# KiCad board main_panel.kicad_pcb
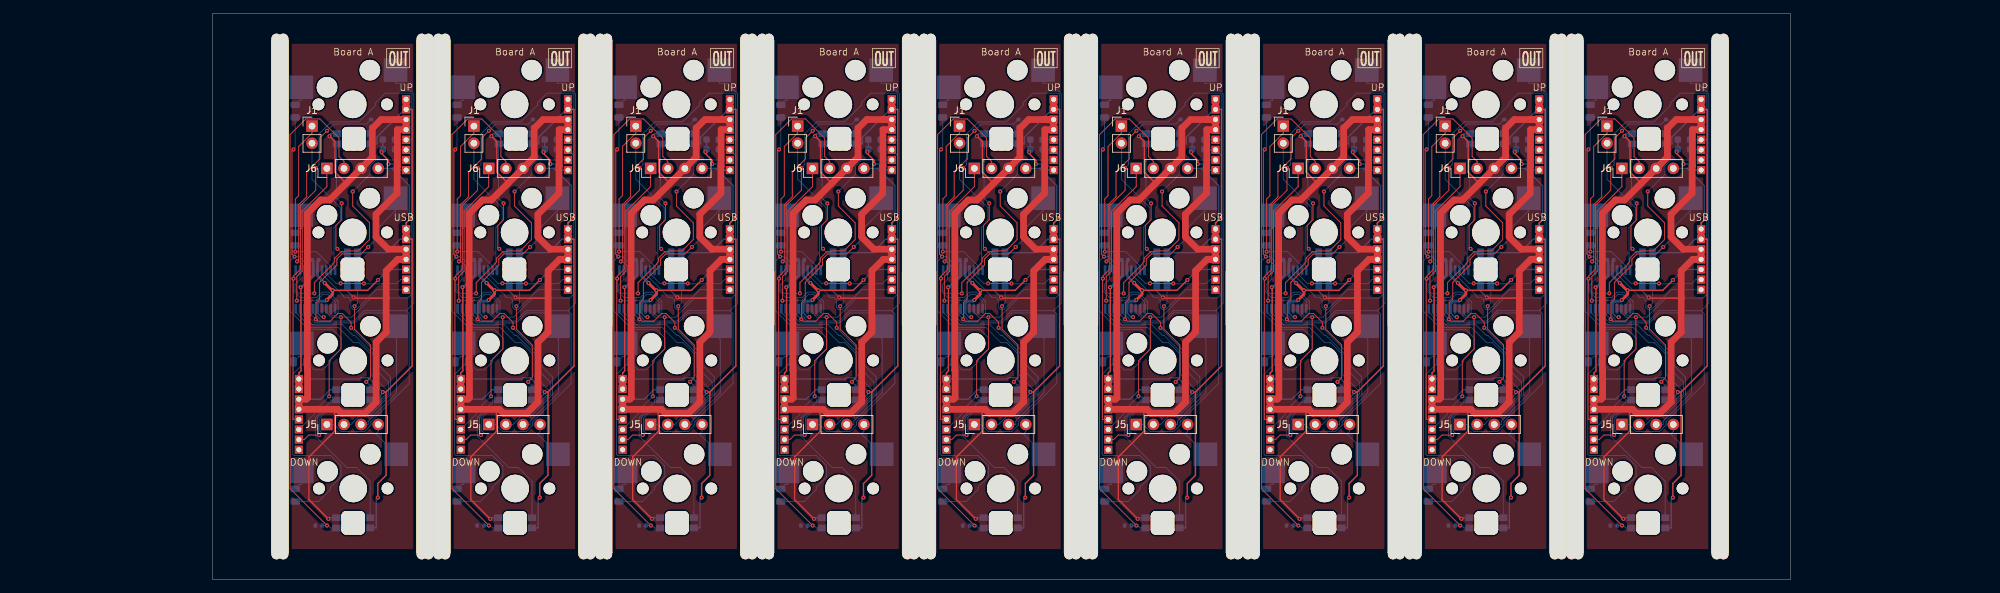
[diagram p0: board, top side]
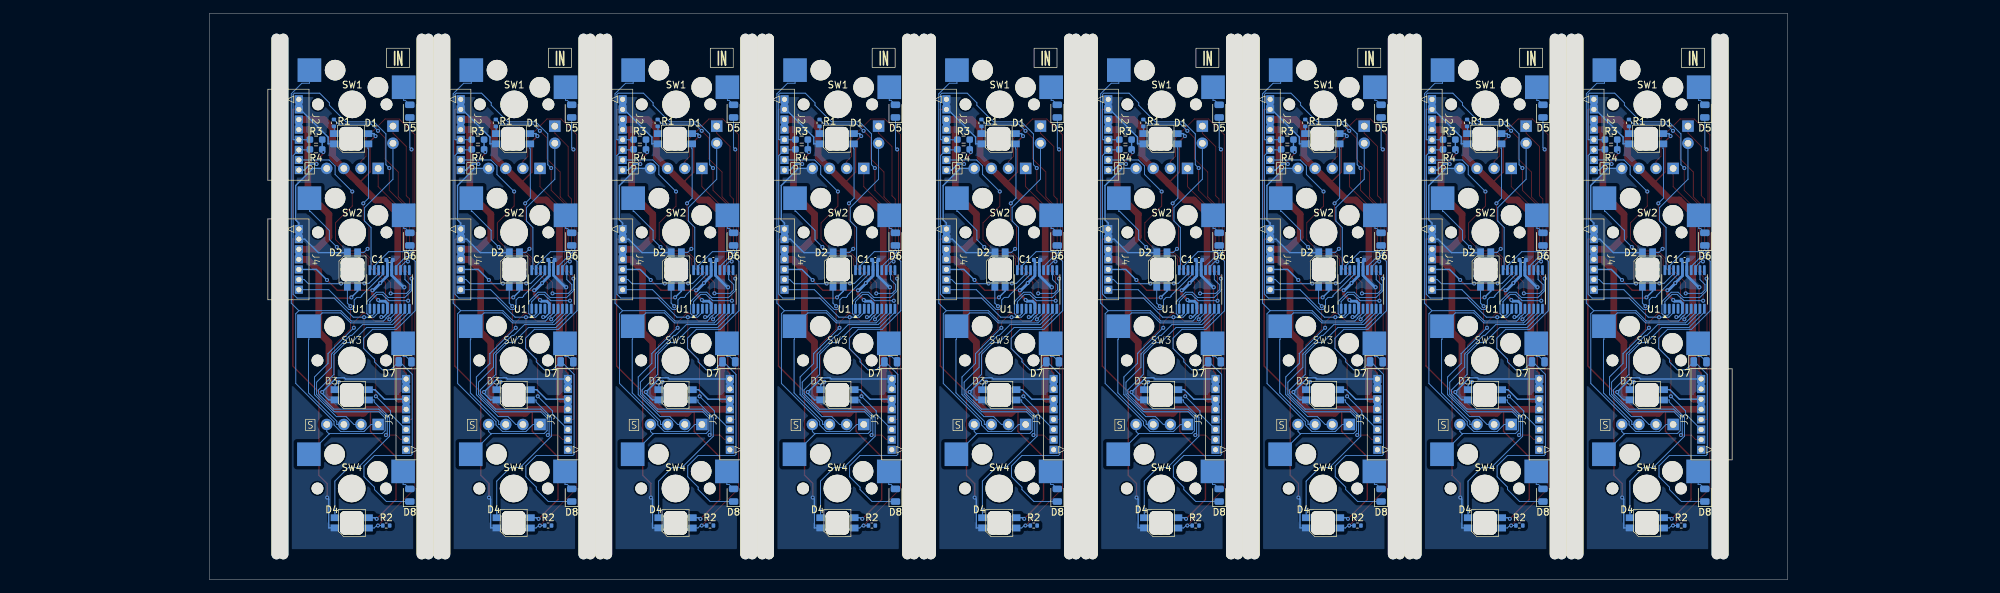
[diagram p1: board, bottom side, seen from below]

Outline 234 x 84 mm; copper layers: Top, In1.Cu, In2.Cu, Bottom. Coordinates in mm from the lower left corner of the outline.
Outline path: 0,84 0,0 234,0 234,84 0,84
Stack: Top 0.035mm / dielectric 0.1mm FR4 er 4.5 / In1.Cu 0.035mm / dielectric 1.24mm FR4 er 4.5 / In2.Cu 0.035mm / dielectric 0.1mm FR4 er 4.5 / Bottom 0.035mm

## Placement (name value [footprint] x y rotation side)
C1  0.1u  [C_0402_1005Metric]  207.26 47.43 180 bottom
C1#2  0.1u  [C_0402_1005Metric]  183.26 47.43 180 bottom
C1#3  0.1u  [C_0402_1005Metric]  135.26 47.43 180 bottom
C1#4  0.1u  [C_0402_1005Metric]  159.26 47.43 180 bottom
C1#5  0.1u  [C_0402_1005Metric]  87.26 47.43 180 bottom
C1#6  0.1u  [C_0402_1005Metric]  63.26 47.43 180 bottom
C1#7  0.1u  [C_0402_1005Metric]  15.26 47.43 180 bottom
C1#8  0.1u  [C_0402_1005Metric]  111.26 47.43 180 bottom
C1#9  0.1u  [C_0402_1005Metric]  39.26 47.43 180 bottom
CUT1  -  [CUT]  130 42 0 top
CUT1#2  -  [CUT]  82 42 0 top
CUT1#3  -  [CUT]  34 42 0 top
CUT1#4  -  [CUT]  106 42 0 top
CUT1#5  -  [CUT]  178 42 0 top
CUT1#6  -  [CUT]  154 42 0 top
CUT1#7  -  [CUT]  10 42 0 top
CUT1#8  -  [CUT]  58 42 0 top
CUT1#9  -  [CUT]  202 42 0 top
CUT2  -  [CUT]  55.52 42 0 top
CUT2#2  -  [CUT]  223.52 42 0 top
CUT2#3  -  [CUT]  79.52 42 0 top
CUT2#4  -  [CUT]  199.52 42 0 top
CUT2#5  -  [CUT]  103.52 42 0 top
CUT2#6  -  [CUT]  175.52 42 0 top
CUT2#7  -  [CUT]  127.52 42 0 top
CUT2#8  -  [CUT]  31.52 42 0 top
CUT2#9  -  [CUT]  151.52 42 0 top
D1  SK6812MINIe  [SK6812MINIe (Reverse)]  188.96 65.41 180 bottom
D1#2  SK6812MINIe  [SK6812MINIe (Reverse)]  68.96 65.41 180 bottom
D1#3  SK6812MINIe  [SK6812MINIe (Reverse)]  92.96 65.41 180 bottom
D1#4  SK6812MINIe  [SK6812MINIe (Reverse)]  164.96 65.41 180 bottom
D1#5  SK6812MINIe  [SK6812MINIe (Reverse)]  140.96 65.41 180 bottom
D1#6  SK6812MINIe  [SK6812MINIe (Reverse)]  44.96 65.41 180 bottom
D1#7  SK6812MINIe  [SK6812MINIe (Reverse)]  116.96 65.41 180 bottom
D1#8  SK6812MINIe  [SK6812MINIe (Reverse)]  212.96 65.41 180 bottom
D1#9  SK6812MINIe  [SK6812MINIe (Reverse)]  20.96 65.41 180 bottom
D2  SK6812MINIe  [SK6812MINIe (Reverse)]  212.76 46.01 270 bottom
D2#2  SK6812MINIe  [SK6812MINIe (Reverse)]  20.76 46.01 270 bottom
D2#3  SK6812MINIe  [SK6812MINIe (Reverse)]  92.76 46.01 270 bottom
D2#4  SK6812MINIe  [SK6812MINIe (Reverse)]  44.76 46.01 270 bottom
D2#5  SK6812MINIe  [SK6812MINIe (Reverse)]  140.76 46.01 270 bottom
D2#6  SK6812MINIe  [SK6812MINIe (Reverse)]  164.76 46.01 270 bottom
D2#7  SK6812MINIe  [SK6812MINIe (Reverse)]  116.76 46.01 270 bottom
D2#8  SK6812MINIe  [SK6812MINIe (Reverse)]  188.76 46.01 270 bottom
D2#9  SK6812MINIe  [SK6812MINIe (Reverse)]  68.76 46.01 270 bottom
D3  SK6812MINIe  [SK6812MINIe (Reverse)]  188.86 27.41 180 bottom
D3#2  SK6812MINIe  [SK6812MINIe (Reverse)]  68.86 27.41 180 bottom
D3#3  SK6812MINIe  [SK6812MINIe (Reverse)]  164.86 27.41 180 bottom
D3#4  SK6812MINIe  [SK6812MINIe (Reverse)]  92.86 27.41 180 bottom
D3#5  SK6812MINIe  [SK6812MINIe (Reverse)]  44.86 27.41 180 bottom
D3#6  SK6812MINIe  [SK6812MINIe (Reverse)]  20.86 27.41 180 bottom
D3#7  SK6812MINIe  [SK6812MINIe (Reverse)]  140.86 27.41 180 bottom
D3#8  SK6812MINIe  [SK6812MINIe (Reverse)]  212.86 27.41 180 bottom
D3#9  SK6812MINIe  [SK6812MINIe (Reverse)]  116.86 27.41 180 bottom
D4  SK6812MINIe  [SK6812MINIe (Reverse)]  92.86 8.41 180 bottom
D4#2  SK6812MINIe  [SK6812MINIe (Reverse)]  212.86 8.41 180 bottom
D4#3  SK6812MINIe  [SK6812MINIe (Reverse)]  68.86 8.41 180 bottom
D4#4  SK6812MINIe  [SK6812MINIe (Reverse)]  116.86 8.41 180 bottom
D4#5  SK6812MINIe  [SK6812MINIe (Reverse)]  140.86 8.41 180 bottom
D4#6  SK6812MINIe  [SK6812MINIe (Reverse)]  20.86 8.41 180 bottom
D4#7  SK6812MINIe  [SK6812MINIe (Reverse)]  44.86 8.41 180 bottom
D4#8  SK6812MINIe  [SK6812MINIe (Reverse)]  164.86 8.41 180 bottom
D4#9  SK6812MINIe  [SK6812MINIe (Reverse)]  188.86 8.41 180 bottom
D5  D  [D_0805_2012Metric]  36.26 69.51 90 bottom
D5#2  D  [D_0805_2012Metric]  156.26 69.51 90 bottom
D5#3  D  [D_0805_2012Metric]  180.26 69.51 90 bottom
D5#4  D  [D_0805_2012Metric]  60.26 69.51 90 bottom
D5#5  D  [D_0805_2012Metric]  108.26 69.51 90 bottom
D5#6  D  [D_0805_2012Metric]  204.26 69.51 90 bottom
D5#7  D  [D_0805_2012Metric]  132.26 69.51 90 bottom
D5#8  D  [D_0805_2012Metric]  84.26 69.51 90 bottom
D5#9  D  [D_0805_2012Metric]  12.26 69.51 90 bottom
D6  D  [D_0805_2012Metric]  156.26 50.51 90 bottom
D6#2  D  [D_0805_2012Metric]  180.26 50.51 90 bottom
D6#3  D  [D_0805_2012Metric]  204.26 50.51 90 bottom
D6#4  D  [D_0805_2012Metric]  12.26 50.51 90 bottom
D6#5  D  [D_0805_2012Metric]  132.26 50.51 90 bottom
D6#6  D  [D_0805_2012Metric]  60.26 50.51 90 bottom
D6#7  D  [D_0805_2012Metric]  36.26 50.51 90 bottom
D6#8  D  [D_0805_2012Metric]  84.26 50.51 90 bottom
D6#9  D  [D_0805_2012Metric]  108.26 50.51 90 bottom
D7  D  [D_0805_2012Metric]  180.96 32.31 180 bottom
D7#2  D  [D_0805_2012Metric]  12.96 32.31 180 bottom
D7#3  D  [D_0805_2012Metric]  84.96 32.31 180 bottom
D7#4  D  [D_0805_2012Metric]  60.96 32.31 180 bottom
D7#5  D  [D_0805_2012Metric]  204.96 32.31 180 bottom
D7#6  D  [D_0805_2012Metric]  156.96 32.31 180 bottom
D7#7  D  [D_0805_2012Metric]  132.96 32.31 180 bottom
D7#8  D  [D_0805_2012Metric]  108.96 32.31 180 bottom
D7#9  D  [D_0805_2012Metric]  36.96 32.31 180 bottom
D8  D  [D_0805_2012Metric]  204.26 12.51 90 bottom
D8#2  D  [D_0805_2012Metric]  108.26 12.51 90 bottom
D8#3  D  [D_0805_2012Metric]  84.26 12.51 90 bottom
D8#4  D  [D_0805_2012Metric]  12.26 12.51 90 bottom
D8#5  D  [D_0805_2012Metric]  180.26 12.51 90 bottom
D8#6  D  [D_0805_2012Metric]  36.26 12.51 90 bottom
D8#7  D  [D_0805_2012Metric]  60.26 12.51 90 bottom
D8#8  D  [D_0805_2012Metric]  132.26 12.51 90 bottom
D8#9  D  [D_0805_2012Metric]  156.26 12.51 90 bottom
J1  Conn_SWD  [PinHeader_1x02_P2.54mm_Vertical]  38.76 67.28 0 top  (not fitted)
J1#2  Conn_SWD  [PinHeader_1x02_P2.54mm_Vertical]  158.76 67.28 0 top  (not fitted)
J1#3  Conn_SWD  [PinHeader_1x02_P2.54mm_Vertical]  14.76 67.28 0 top  (not fitted)
J1#4  Conn_SWD  [PinHeader_1x02_P2.54mm_Vertical]  182.76 67.28 0 top  (not fitted)
J1#5  Conn_SWD  [PinHeader_1x02_P2.54mm_Vertical]  86.76 67.28 0 top  (not fitted)
J1#6  Conn_SWD  [PinHeader_1x02_P2.54mm_Vertical]  206.76 67.28 0 top  (not fitted)
J1#7  Conn_SWD  [PinHeader_1x02_P2.54mm_Vertical]  134.76 67.28 0 top  (not fitted)
J1#8  Conn_SWD  [PinHeader_1x02_P2.54mm_Vertical]  110.76 67.28 0 top  (not fitted)
J1#9  Conn_SWD  [PinHeader_1x02_P2.54mm_Vertical]  62.76 67.28 0 top  (not fitted)
J2  Conn_Upstream  [JST_S8B_ZR]  28.71 66.01 270 bottom
J2#2  Conn_Upstream  [JST_S8B_ZR]  220.71 66.01 270 bottom
J2#3  Conn_Upstream  [JST_S8B_ZR]  196.71 66.01 270 bottom
J2#4  Conn_Upstream  [JST_S8B_ZR]  124.71 66.01 270 bottom
J2#5  Conn_Upstream  [JST_S8B_ZR]  52.71 66.01 270 bottom
J2#6  Conn_Upstream  [JST_S8B_ZR]  172.71 66.01 270 bottom
J2#7  Conn_Upstream  [JST_S8B_ZR]  148.71 66.01 270 bottom
J2#8  Conn_Upstream  [JST_S8B_ZR]  76.71 66.01 270 bottom
J2#9  Conn_Upstream  [JST_S8B_ZR]  100.71 66.01 270 bottom
J3  Conn_Downstream  [JST_S8B_ZR]  36.81 24.51 90 bottom
J3#2  Conn_Downstream  [JST_S8B_ZR]  60.81 24.51 90 bottom
J3#3  Conn_Downstream  [JST_S8B_ZR]  132.81 24.51 90 bottom
J3#4  Conn_Downstream  [JST_S8B_ZR]  108.81 24.51 90 bottom
J3#5  Conn_Downstream  [JST_S8B_ZR]  156.81 24.51 90 bottom
J3#6  Conn_Downstream  [JST_S8B_ZR]  12.81 24.51 90 bottom
J3#7  Conn_Downstream  [JST_S8B_ZR]  84.81 24.51 90 bottom
J3#8  Conn_Downstream  [JST_S8B_ZR]  204.81 24.51 90 bottom
J3#9  Conn_Downstream  [JST_S8B_ZR]  180.81 24.51 90 bottom
J4  JST_ZH_7P  [JST_S7B_ZR]  100.71 47.51 270 bottom  (not fitted)
J4#2  JST_ZH_7P  [JST_S7B_ZR]  124.71 47.51 270 bottom  (not fitted)
J4#3  JST_ZH_7P  [JST_S7B_ZR]  196.71 47.51 270 bottom  (not fitted)
J4#4  JST_ZH_7P  [JST_S7B_ZR]  220.71 47.51 270 bottom  (not fitted)
J4#5  JST_ZH_7P  [JST_S7B_ZR]  148.71 47.51 270 bottom  (not fitted)
J4#6  JST_ZH_7P  [JST_S7B_ZR]  52.71 47.51 270 bottom  (not fitted)
J4#7  JST_ZH_7P  [JST_S7B_ZR]  28.71 47.51 270 bottom  (not fitted)
J4#8  JST_ZH_7P  [JST_S7B_ZR]  172.71 47.51 270 bottom  (not fitted)
J4#9  JST_ZH_7P  [JST_S7B_ZR]  76.71 47.51 270 bottom  (not fitted)
J5  Conn_Proxy1  [PinHeader_1x04_P2.54mm_Vertical]  208.96 23.01 90 top  (not fitted)
J5#2  Conn_Proxy1  [PinHeader_1x04_P2.54mm_Vertical]  40.96 23.01 90 top  (not fitted)
J5#3  Conn_Proxy1  [PinHeader_1x04_P2.54mm_Vertical]  160.96 23.01 90 top  (not fitted)
J5#4  Conn_Proxy1  [PinHeader_1x04_P2.54mm_Vertical]  112.96 23.01 90 top  (not fitted)
J5#5  Conn_Proxy1  [PinHeader_1x04_P2.54mm_Vertical]  184.96 23.01 90 top  (not fitted)
J5#6  Conn_Proxy1  [PinHeader_1x04_P2.54mm_Vertical]  88.96 23.01 90 top  (not fitted)
J5#7  Conn_Proxy1  [PinHeader_1x04_P2.54mm_Vertical]  64.96 23.01 90 top  (not fitted)
J5#8  Conn_Proxy1  [PinHeader_1x04_P2.54mm_Vertical]  136.96 23.01 90 top  (not fitted)
J5#9  Conn_Proxy1  [PinHeader_1x04_P2.54mm_Vertical]  16.96 23.01 90 top  (not fitted)
J6  Conn_Proxy2  [PinHeader_1x04_P2.54mm_Vertical]  40.96 61.01 90 top  (not fitted)
J6#2  Conn_Proxy2  [PinHeader_1x04_P2.54mm_Vertical]  136.96 61.01 90 top  (not fitted)
J6#3  Conn_Proxy2  [PinHeader_1x04_P2.54mm_Vertical]  88.96 61.01 90 top  (not fitted)
J6#4  Conn_Proxy2  [PinHeader_1x04_P2.54mm_Vertical]  16.96 61.01 90 top  (not fitted)
J6#5  Conn_Proxy2  [PinHeader_1x04_P2.54mm_Vertical]  112.96 61.01 90 top  (not fitted)
J6#6  Conn_Proxy2  [PinHeader_1x04_P2.54mm_Vertical]  208.96 61.01 90 top  (not fitted)
J6#7  Conn_Proxy2  [PinHeader_1x04_P2.54mm_Vertical]  160.96 61.01 90 top  (not fitted)
J6#8  Conn_Proxy2  [PinHeader_1x04_P2.54mm_Vertical]  64.96 61.01 90 top  (not fitted)
J6#9  Conn_Proxy2  [PinHeader_1x04_P2.54mm_Vertical]  184.96 61.01 90 top  (not fitted)
R1  510  [R_0402_1005Metric]  215.51 67.76 270 bottom
R1#2  510  [R_0402_1005Metric]  191.51 67.76 270 bottom
R1#3  510  [R_0402_1005Metric]  95.51 67.76 270 bottom
R1#4  510  [R_0402_1005Metric]  23.51 67.76 270 bottom
R1#5  510  [R_0402_1005Metric]  167.51 67.76 270 bottom
R1#6  510  [R_0402_1005Metric]  143.51 67.76 270 bottom
R1#7  510  [R_0402_1005Metric]  119.51 67.76 270 bottom
R1#8  510  [R_0402_1005Metric]  71.51 67.76 270 bottom
R1#9  510  [R_0402_1005Metric]  47.51 67.76 270 bottom
R2  510  [R_0402_1005Metric]  15.76 8.01 180 bottom
R2#2  510  [R_0402_1005Metric]  63.76 8.01 180 bottom
R2#3  510  [R_0402_1005Metric]  87.76 8.01 180 bottom
R2#4  510  [R_0402_1005Metric]  111.76 8.01 180 bottom
R2#5  510  [R_0402_1005Metric]  39.76 8.01 180 bottom
R2#6  510  [R_0402_1005Metric]  207.76 8.01 180 bottom
R2#7  510  [R_0402_1005Metric]  183.76 8.01 180 bottom
R2#8  510  [R_0402_1005Metric]  135.76 8.01 180 bottom
R2#9  510  [R_0402_1005Metric]  159.76 8.01 180 bottom
R3  1K  [R_0603_1608Metric_Pad0.98x0.95mm_HandSolder]  74.16 65.28 180 bottom  (not fitted)
R3#2  1K  [R_0603_1608Metric_Pad0.98x0.95mm_HandSolder]  98.16 65.28 180 bottom  (not fitted)
R3#3  1K  [R_0603_1608Metric_Pad0.98x0.95mm_HandSolder]  218.16 65.28 180 bottom  (not fitted)
R3#4  1K  [R_0603_1608Metric_Pad0.98x0.95mm_HandSolder]  170.16 65.28 180 bottom  (not fitted)
R3#5  1K  [R_0603_1608Metric_Pad0.98x0.95mm_HandSolder]  194.16 65.28 180 bottom  (not fitted)
R3#6  1K  [R_0603_1608Metric_Pad0.98x0.95mm_HandSolder]  146.16 65.28 180 bottom  (not fitted)
R3#7  1K  [R_0603_1608Metric_Pad0.98x0.95mm_HandSolder]  26.16 65.28 180 bottom  (not fitted)
R3#8  1K  [R_0603_1608Metric_Pad0.98x0.95mm_HandSolder]  50.16 65.28 180 bottom  (not fitted)
R3#9  1K  [R_0603_1608Metric_Pad0.98x0.95mm_HandSolder]  122.16 65.28 180 bottom  (not fitted)
R4  1K  [R_0603_1608Metric_Pad0.98x0.95mm_HandSolder]  98.16 63.83 180 bottom  (not fitted)
R4#2  1K  [R_0603_1608Metric_Pad0.98x0.95mm_HandSolder]  26.16 63.83 180 bottom  (not fitted)
R4#3  1K  [R_0603_1608Metric_Pad0.98x0.95mm_HandSolder]  74.16 63.83 180 bottom  (not fitted)
R4#4  1K  [R_0603_1608Metric_Pad0.98x0.95mm_HandSolder]  194.16 63.83 180 bottom  (not fitted)
R4#5  1K  [R_0603_1608Metric_Pad0.98x0.95mm_HandSolder]  50.16 63.83 180 bottom  (not fitted)
R4#6  1K  [R_0603_1608Metric_Pad0.98x0.95mm_HandSolder]  122.16 63.83 180 bottom  (not fitted)
R4#7  1K  [R_0603_1608Metric_Pad0.98x0.95mm_HandSolder]  170.16 63.83 180 bottom  (not fitted)
R4#8  1K  [R_0603_1608Metric_Pad0.98x0.95mm_HandSolder]  218.16 63.83 180 bottom  (not fitted)
R4#9  1K  [R_0603_1608Metric_Pad0.98x0.95mm_HandSolder]  146.16 63.83 180 bottom  (not fitted)
SW1  SW_Push  [Keyswitch]  212.79 70.51 180 bottom
SW1#2  SW_Push  [Keyswitch]  140.79 70.51 180 bottom
SW1#3  SW_Push  [Keyswitch]  68.8 70.51 180 bottom
SW1#4  SW_Push  [Keyswitch]  44.8 70.51 180 bottom
SW1#5  SW_Push  [Keyswitch]  20.8 70.51 180 bottom
SW1#6  SW_Push  [Keyswitch]  92.8 70.51 180 bottom
SW1#7  SW_Push  [Keyswitch]  116.79 70.51 180 bottom
SW1#8  SW_Push  [Keyswitch]  164.79 70.51 180 bottom
SW1#9  SW_Push  [Keyswitch]  188.79 70.51 180 bottom
SW2  SW_Push  [Keyswitch]  188.79 51.51 180 bottom
SW2#2  SW_Push  [Keyswitch]  116.79 51.51 180 bottom
SW2#3  SW_Push  [Keyswitch]  164.79 51.51 180 bottom
SW2#4  SW_Push  [Keyswitch]  44.8 51.51 180 bottom
SW2#5  SW_Push  [Keyswitch]  140.79 51.51 180 bottom
SW2#6  SW_Push  [Keyswitch]  20.8 51.51 180 bottom
SW2#7  SW_Push  [Keyswitch]  212.79 51.51 180 bottom
SW2#8  SW_Push  [Keyswitch]  92.8 51.51 180 bottom
SW2#9  SW_Push  [Keyswitch]  68.8 51.51 180 bottom
SW3  SW_Push  [Keyswitch]  212.88 32.51 180 bottom
SW3#2  SW_Push  [Keyswitch]  92.88 32.51 180 bottom
SW3#3  SW_Push  [Keyswitch]  116.88 32.51 180 bottom
SW3#4  SW_Push  [Keyswitch]  68.88 32.51 180 bottom
SW3#5  SW_Push  [Keyswitch]  188.88 32.51 180 bottom
SW3#6  SW_Push  [Keyswitch]  44.88 32.51 180 bottom
SW3#7  SW_Push  [Keyswitch]  164.88 32.51 180 bottom
SW3#8  SW_Push  [Keyswitch]  20.88 32.51 180 bottom
SW3#9  SW_Push  [Keyswitch]  140.88 32.51 180 bottom
SW4  SW_Push  [Keyswitch]  212.88 13.51 180 bottom
SW4#2  SW_Push  [Keyswitch]  140.88 13.51 180 bottom
SW4#3  SW_Push  [Keyswitch]  92.88 13.51 180 bottom
SW4#4  SW_Push  [Keyswitch]  116.88 13.51 180 bottom
SW4#5  SW_Push  [Keyswitch]  68.88 13.51 180 bottom
SW4#6  SW_Push  [Keyswitch]  44.88 13.51 180 bottom
SW4#7  SW_Push  [Keyswitch]  20.88 13.51 180 bottom
SW4#8  SW_Push  [Keyswitch]  164.88 13.51 180 bottom
SW4#9  SW_Push  [Keyswitch]  188.88 13.51 180 bottom
U1  STM32F042F4Px  [TSSOP-20_4.4x6.5mm_P0.65mm]  39.26 43.04 90 bottom
U1#2  STM32F042F4Px  [TSSOP-20_4.4x6.5mm_P0.65mm]  207.26 43.04 90 bottom
U1#3  STM32F042F4Px  [TSSOP-20_4.4x6.5mm_P0.65mm]  87.26 43.04 90 bottom
U1#4  STM32F042F4Px  [TSSOP-20_4.4x6.5mm_P0.65mm]  63.26 43.04 90 bottom
U1#5  STM32F042F4Px  [TSSOP-20_4.4x6.5mm_P0.65mm]  111.26 43.04 90 bottom
U1#6  STM32F042F4Px  [TSSOP-20_4.4x6.5mm_P0.65mm]  183.26 43.04 90 bottom
U1#7  STM32F042F4Px  [TSSOP-20_4.4x6.5mm_P0.65mm]  159.26 43.04 90 bottom
U1#8  STM32F042F4Px  [TSSOP-20_4.4x6.5mm_P0.65mm]  15.26 43.04 90 bottom
U1#9  STM32F042F4Px  [TSSOP-20_4.4x6.5mm_P0.65mm]  135.26 43.04 90 bottom

## Library data of the parts
C1 C1#2-C1#6 C1#8 C1#9 = -: Description: Unpolarized capacitor
C1#7 = -: Description: Unpolarized capacitor; ki_fp_filters: C_*
D1 D1#2-D1#8 D2 D2#3-D2#9 D3 D3#2-D3#5 D3#7-D3#9 D4 D4#2-D4#5 D4#7-D4#9 = -: Datasheet: https://cdn-shop.adafruit.com/product-files/2686/SK6812MINI_REV.01-1-2.pdf; Description: RGB LED with integrated controller; MPN: C5149201
D1#9 D2#2 D3#6 D4#6 = -: Datasheet: https://cdn-shop.adafruit.com/product-files/2686/SK6812MINI_REV.01-1-2.pdf; Description: RGB LED with integrated controller; MPN: C5149201; ki_fp_filters: LED*SK6812MINI*PLCC*3.5x3.5mm*P1.75mm*
D5 D5#2-D5#8 D6 D6#2 D6#3 D6#5-D6#9 D7 D7#3-D7#9 D8 D8#2 D8#3 D8#5-D8#9 = -: Description: Diode; Sim.Pins: 1=K 2=A; MPN: C109001
D5#9 D6#4 D7#2 D8#4 = -: Description: Diode; Sim.Pins: 1=K 2=A; MPN: C109001; ki_fp_filters: TO-???* *_Diode_* *SingleDiode* D_*
J1 J1#2 J1#4-J1#9 = -: Description: Generic connector, single row, 01x02, script generated (kicad-library-utils/schlib/autogen/connector/)
J1#3 = -: Description: Generic connector, single row, 01x02, script generated (kicad-library-utils/schlib/autogen/connector/); ki_fp_filters: Connector*:*_1x??_*
J2 J3#6 = -: Description: Generic connector, single row, 01x08, script generated (kicad-library-utils/schlib/autogen/connector/); MPN: C2845571; ki_fp_filters: Connector*:*_1x??_*
J2#2-J2#9 J3 J3#2-J3#5 J3#7-J3#9 = -: Description: Generic connector, single row, 01x08, script generated (kicad-library-utils/schlib/autogen/connector/); MPN: C2845571
J4 J4#2-J4#6 J4#8 J4#9 = -: Description: Generic connector, single row, 01x07, script generated (kicad-library-utils/schlib/autogen/connector/); MPN: C160734
J4#7 = -: Description: Generic connector, single row, 01x07, script generated (kicad-library-utils/schlib/autogen/connector/); MPN: C160734; ki_fp_filters: Connector*:*_1x??_*
J5 J5#2-J5#8 J6 J6#2 J6#3 J6#5-J6#9 = -: Description: Generic connector, single row, 01x04, script generated (kicad-library-utils/schlib/autogen/connector/)
J5#9 J6#4 = -: Description: Generic connector, single row, 01x04, script generated (kicad-library-utils/schlib/autogen/connector/); ki_fp_filters: Connector*:*_1x??_*
R1 R1#2 R1#3 R1#5-R1#9 R2#2-R2#9 R3 R3#2-R3#6 R3#8 R3#9 R4 R4#3-R4#9 = -: Description: Resistor
R1#4 R2 R3#7 R4#2 = -: Description: Resistor; ki_fp_filters: R_*
SW1 SW1#2-SW1#9 SW2 SW2#2-SW2#9 SW3 SW3#2-SW3#9 SW4 SW4#2-SW4#9 = -: Datasheet: https://wmsc.lcsc.com/wmsc/upload/file/pdf/v2/lcsc/2211090930_Kailh-CPG151101S11-1_C5184526.pdf; Description: Push button switch, generic, two pins; MPN: C5184526
U1 U1#2-U1#7 U1#9 = -: Datasheet: https://www.st.com/resource/en/datasheet/stm32f042f4.pdf; Description: STMicroelectronics Arm Cortex-M0 MCU, 16KB flash, 6KB RAM, 48 MHz, 2.0-3.6V, 16 GPIO, TSSOP20; MPN: C81002
U1#8 = -: Datasheet: https://www.st.com/resource/en/datasheet/stm32f042f4.pdf; Description: STMicroelectronics Arm Cortex-M0 MCU, 16KB flash, 6KB RAM, 48 MHz, 2.0-3.6V, 16 GPIO, TSSOP20; MPN: C81002; ki_fp_filters: TSSOP*4.4x6.5mm*P0.65mm*

## Footprints (pads in the part's own frame, mm; a bottom-side part is the same pattern mirrored in y, then rotated)
C_0402_1005Metric
  rrect 0.56x0.62 smd: 1(-0.48,0) 2(0.48,0)
CUT
  oval 1.5x78 hole 1.5x78 unplated: (-0.5,0) (0.5,0)
D_0805_2012Metric
  rrect 0.975x1.4 smd: 1(-0.938,0) 2(0.938,0)
JST_S7B_ZR
  rect 1.2x1.2 hole 0.762: 1(-4.5,0) 2(-3,0) 3(-1.5,0) 4(0,0) 5(1.5,0) 6(3,0) 7(4.5,0)
JST_S8B_ZR
  rect 1.2x1.2 hole 0.762: 1(-5.25,0) 2(-3.75,0) 3(-2.25,0) 4(-0.75,0) 5(0.75,0) 6(2.25,0) 7(3.75,0) 8(5.25,0)
Keyswitch
  round 1.753 hole 1.753 unplated: (-5.08,0) (5.08,0)
  round 3.05 hole 3.05 unplated: (-2.54,5.08) (3.81,2.54)
  round 4.089 hole 4.089 unplated: (0,0)
  rect 3.5x3.5 smd: 1(-6.35,5.08) 2(7.62,2.54)
PinHeader_1x02_P2.54mm_Vertical
  rect 1.7x1.7 hole 1: 1(0,0)
  oval 1.7x1.7 hole 1: 2(0,-2.54)
PinHeader_1x04_P2.54mm_Vertical
  rect 1.7x1.7 hole 1: 1(0,0)
  oval 1.7x1.7 hole 1: 2(0,-2.54) 3(0,-5.08) 4(0,-7.62)
R_0402_1005Metric
  rrect 0.54x0.64 smd: 1(-0.51,0) 2(0.51,0)
R_0603_1608Metric_Pad0.98x0.95mm_HandSolder
  rrect 0.975x0.95 smd: 1(-0.912,0) 2(0.912,0)
SK6812MINIe (Reverse)
  oval 1.5x3.5 hole 1.5x3.5 unplated: (-1,0) (0,0) (1,0)
  oval 3.5x1.5 hole 3.5x1.5 unplated: (0,-1) (0,1)
  rect 1.25x1 smd: 1(2.5,0.762) 2(2.5,-0.762) 3(-2.5,-0.75) 4(-2.5,0.762)
TSSOP-20_4.4x6.5mm_P0.65mm
  rrect 1.475x0.4 smd: 1(-2.862,2.925) 2(-2.862,2.275) 3(-2.862,1.625) 4(-2.862,0.975) 5(-2.862,0.325) 6(-2.862,-0.325) 7(-2.862,-0.975) 8(-2.862,-1.625) 9(-2.862,-2.275) 10(-2.862,-2.925) 11(2.862,-2.925) 12(2.862,-2.275) 13(2.862,-1.625) 14(2.862,-0.975) 15(2.862,-0.325) 16(2.862,0.325) 17(2.862,0.975) 18(2.862,1.625) 19(2.862,2.275) 20(2.862,2.925)

## Nets
+3.3V: C1.1 C1#2.1 C1#3.1 C1#4.1 C1#5.1 C1#6.1 C1#7.1 C1#8.1 C1#9.1 J2.8 J2#2.8 J2#3.8 J2#4.8 J2#5.8 J2#6.8 J2#7.8 J2#8.8 J2#9.8 J3.1 J3#2.1 J3#3.1 J3#4.1 J3#5.1 J3#6.1 J3#7.1 J3#8.1 J3#9.1 J4.5 J4#2.5 J4#3.5 J4#4.5 J4#5.5 J4#6.5 J4#7.5 J4#8.5 J4#9.5 R3.2 R3#2.2 R3#3.2 R3#4.2 R3#5.2 R3#6.2 R3#7.2 R3#8.2 R3#9.2 R4.2 R4#2.2 R4#3.2 R4#4.2 R4#5.2 R4#6.2 R4#7.2 R4#8.2 R4#9.2 U1.5 U1.16 U1#2.5 U1#2.16 U1#3.5 U1#3.16 U1#4.5 U1#4.16 U1#5.5 U1#5.16 U1#6.5 U1#6.16 U1#7.5 U1#7.16 U1#8.5 U1#8.16 U1#9.5 U1#9.16
+5V: D1.1 D1#2.1 D1#3.1 D1#4.1 D1#5.1 D1#6.1 D1#7.1 D1#8.1 D1#9.1 D2.1 D2#2.1 D2#3.1 D2#4.1 D2#5.1 D2#6.1 D2#7.1 D2#8.1 D2#9.1 D3.1 D3#2.1 D3#3.1 D3#4.1 D3#5.1 D3#6.1 D3#7.1 D3#8.1 D3#9.1 D4.1 D4#2.1 D4#3.1 D4#4.1 D4#5.1 D4#6.1 D4#7.1 D4#8.1 D4#9.1 J2.3 J2.4 J2#2.3 J2#2.4 J2#3.3 J2#3.4 J2#4.3 J2#4.4 J2#5.3 J2#5.4 J2#6.3 J2#6.4 J2#7.3 J2#7.4 J2#8.3 J2#8.4 J2#9.3 J2#9.4 J3.5 J3.6 J3#2.5 J3#2.6 J3#3.5 J3#3.6 J3#4.5 J3#4.6 J3#5.5 J3#5.6 J3#6.5 J3#6.6 J3#7.5 J3#7.6 J3#8.5 J3#8.6 J3#9.5 J3#9.6 J4.3 J4.4 J4#2.3 J4#2.4 J4#3.3 J4#3.4 J4#4.3 J4#4.4 J4#5.3 J4#5.4 J4#6.3 J4#6.4 J4#7.3 J4#7.4 J4#8.3 J4#8.4 J4#9.3 J4#9.4 J6.3 J6#2.3 J6#3.3 J6#4.3 J6#5.3 J6#6.3 J6#7.3 J6#8.3 J6#9.3
GND: C1.2 C1#2.2 C1#3.2 C1#4.2 C1#5.2 C1#6.2 C1#7.2 C1#8.2 C1#9.2 D1.3 D1#2.3 D1#3.3 D1#4.3 D1#5.3 D1#6.3 D1#7.3 D1#8.3 D1#9.3 D2.3 D2#2.3 D2#3.3 D2#4.3 D2#5.3 D2#6.3 D2#7.3 D2#8.3 D2#9.3 D3.3 D3#2.3 D3#3.3 D3#4.3 D3#5.3 D3#6.3 D3#7.3 D3#8.3 D3#9.3 D4.3 D4#2.3 D4#3.3 D4#4.3 D4#5.3 D4#6.3 D4#7.3 D4#8.3 D4#9.3 J2.1 J2.2 J2#2.1 J2#2.2 J2#3.1 J2#3.2 J2#4.1 J2#4.2 J2#5.1 J2#5.2 J2#6.1 J2#6.2 J2#7.1 J2#7.2 J2#8.1 J2#8.2 J2#9.1 J2#9.2 J3.7 J3.8 J3#2.7 J3#2.8 J3#3.7 J3#3.8 J3#4.7 J3#4.8 J3#5.7 J3#5.8 J3#6.7 J3#6.8 J3#7.7 J3#7.8 J3#8.7 J3#8.8 J3#9.7 J3#9.8 J4.1 J4.2 J4#2.1 J4#2.2 J4#3.1 J4#3.2 J4#4.1 J4#4.2 J4#5.1 J4#5.2 J4#6.1 J4#6.2 J4#7.1 J4#7.2 J4#8.1 J4#8.2 J4#9.1 J4#9.2 J6.4 J6#2.4 J6#3.4 J6#4.4 J6#5.4 J6#6.4 J6#7.4 J6#8.4 J6#9.4 U1.15 U1#2.15 U1#3.15 U1#4.15 U1#5.15 U1#6.15 U1#7.15 U1#8.15 U1#9.15
/COM1: D5.1 D5#2.1 D5#3.1 D5#4.1 D5#5.1 D5#6.1 D5#7.1 D5#8.1 D5#9.1 D6.1 D6#2.1 D6#3.1 D6#4.1 D6#5.1 D6#6.1 D6#7.1 D6#8.1 D6#9.1 D7.1 D7#2.1 D7#3.1 D7#4.1 D7#5.1 D7#6.1 D7#7.1 D7#8.1 D7#9.1 D8.1 D8#2.1 D8#3.1 D8#4.1 D8#5.1 D8#6.1 D8#7.1 D8#8.1 D8#9.1 U1.14 U1#2.14 U1#3.14 U1#4.14 U1#5.14 U1#6.14 U1#7.14 U1#8.14 U1#9.14
/COM2: J6.1 J6#2.1 J6#3.1 J6#4.1 J6#5.1 J6#6.1 J6#7.1 J6#8.1 J6#9.1 U1.1 U1#2.1 U1#3.1 U1#4.1 U1#5.1 U1#6.1 U1#7.1 U1#8.1 U1#9.1
/DM: J4.7 J4#2.7 J4#3.7 J4#4.7 J4#5.7 J4#6.7 J4#7.7 J4#8.7 J4#9.7 U1.17 U1#2.17 U1#3.17 U1#4.17 U1#5.17 U1#6.17 U1#7.17 U1#8.17 U1#9.17
/DP: J4.6 J4#2.6 J4#3.6 J4#4.6 J4#5.6 J4#6.6 J4#7.6 J4#8.6 J4#9.6 U1.18 U1#2.18 U1#3.18 U1#4.18 U1#5.18 U1#6.18 U1#7.18 U1#8.18 U1#9.18
/LED: R1.1 R1#2.1 R1#3.1 R1#4.1 R1#5.1 R1#6.1 R1#7.1 R1#8.1 R1#9.1 U1.13 U1#2.13 U1#3.13 U1#4.13 U1#5.13 U1#6.13 U1#7.13 U1#8.13 U1#9.13
/LED2: D4.2 D4#2.2 D4#3.2 D4#4.2 D4#5.2 D4#6.2 D4#7.2 D4#8.2 D4#9.2 J6.2 J6#2.2 J6#3.2 J6#4.2 J6#5.2 J6#6.2 J6#7.2 J6#8.2 J6#9.2 R2.1 R2#2.1 R2#3.1 R2#4.1 R2#5.1 R2#6.1 R2#7.1 R2#8.1 R2#9.1
/RDYin: J3.2 J3#2.2 J3#3.2 J3#4.2 J3#5.2 J3#6.2 J3#7.2 J3#8.2 J3#9.2 U1.10 U1#2.10 U1#3.10 U1#4.10 U1#5.10 U1#6.10 U1#7.10 U1#8.10 U1#9.10
/RDYout: J2.7 J2#2.7 J2#3.7 J2#4.7 J2#5.7 J2#6.7 J2#7.7 J2#8.7 J2#9.7 U1.12 U1#2.12 U1#3.12 U1#4.12 U1#5.12 U1#6.12 U1#7.12 U1#8.12 U1#9.12
/SCL: J2.6 J2#2.6 J2#3.6 J2#4.6 J2#5.6 J2#6.6 J2#7.6 J2#8.6 J2#9.6 J3.3 J3#2.3 J3#3.3 J3#4.3 J3#5.3 J3#6.3 J3#7.3 J3#8.3 J3#9.3 R4.1 R4#2.1 R4#3.1 R4#4.1 R4#5.1 R4#6.1 R4#7.1 R4#8.1 R4#9.1 U1.3 U1#2.3 U1#3.3 U1#4.3 U1#5.3 U1#6.3 U1#7.3 U1#8.3 U1#9.3
/SDA: J2.5 J2#2.5 J2#3.5 J2#4.5 J2#5.5 J2#6.5 J2#7.5 J2#8.5 J2#9.5 J3.4 J3#2.4 J3#3.4 J3#4.4 J3#5.4 J3#6.4 J3#7.4 J3#8.4 J3#9.4 R3.1 R3#2.1 R3#3.1 R3#4.1 R3#5.1 R3#6.1 R3#7.1 R3#8.1 R3#9.1 U1.2 U1#2.2 U1#3.2 U1#4.2 U1#5.2 U1#6.2 U1#7.2 U1#8.2 U1#9.2
/SW1: J5.1 J5#2.1 J5#3.1 J5#4.1 J5#5.1 J5#6.1 J5#7.1 J5#8.1 J5#9.1 SW1.1 SW1#2.1 SW1#3.1 SW1#4.1 SW1#5.1 SW1#6.1 SW1#7.1 SW1#8.1 SW1#9.1 U1.6 U1#2.6 U1#3.6 U1#4.6 U1#5.6 U1#6.6 U1#7.6 U1#8.6 U1#9.6
/SW2: J5.2 J5#2.2 J5#3.2 J5#4.2 J5#5.2 J5#6.2 J5#7.2 J5#8.2 J5#9.2 SW2.1 SW2#2.1 SW2#3.1 SW2#4.1 SW2#5.1 SW2#6.1 SW2#7.1 SW2#8.1 SW2#9.1 U1.7 U1#2.7 U1#3.7 U1#4.7 U1#5.7 U1#6.7 U1#7.7 U1#8.7 U1#9.7
/SW3: J5.3 J5#2.3 J5#3.3 J5#4.3 J5#5.3 J5#6.3 J5#7.3 J5#8.3 J5#9.3 SW3.1 SW3#2.1 SW3#3.1 SW3#4.1 SW3#5.1 SW3#6.1 SW3#7.1 SW3#8.1 SW3#9.1 U1.8 U1#2.8 U1#3.8 U1#4.8 U1#5.8 U1#6.8 U1#7.8 U1#8.8 U1#9.8
/SW4: J5.4 J5#2.4 J5#3.4 J5#4.4 J5#5.4 J5#6.4 J5#7.4 J5#8.4 J5#9.4 SW4.1 SW4#2.1 SW4#3.1 SW4#4.1 SW4#5.1 SW4#6.1 SW4#7.1 SW4#8.1 SW4#9.1 U1.9 U1#2.9 U1#3.9 U1#4.9 U1#5.9 U1#6.9 U1#7.9 U1#8.9 U1#9.9
/SWCLK: J1.2 J1#2.2 J1#3.2 J1#4.2 J1#5.2 J1#6.2 J1#7.2 J1#8.2 J1#9.2 U1.20 U1#2.20 U1#3.20 U1#4.20 U1#5.20 U1#6.20 U1#7.20 U1#8.20 U1#9.20
/SWDIO: J1.1 J1#2.1 J1#3.1 J1#4.1 J1#5.1 J1#6.1 J1#7.1 J1#8.1 J1#9.1 U1.19 U1#2.19 U1#3.19 U1#4.19 U1#5.19 U1#6.19 U1#7.19 U1#8.19 U1#9.19
Net-(D1-DIN): D1.4 D1#2.4 D1#3.4 D1#4.4 D1#5.4 D1#6.4 D1#7.4 D1#8.4 D1#9.4 R1.2 R1#2.2 R1#3.2 R1#4.2 R1#5.2 R1#6.2 R1#7.2 R1#8.2 R1#9.2
Net-(D1-DOUT): D1.2 D1#2.2 D1#3.2 D1#4.2 D1#5.2 D1#6.2 D1#7.2 D1#8.2 D1#9.2 D2.4 D2#2.4 D2#3.4 D2#4.4 D2#5.4 D2#6.4 D2#7.4 D2#8.4 D2#9.4
Net-(D2-DOUT): D2.2 D2#2.2 D2#3.2 D2#4.2 D2#5.2 D2#6.2 D2#7.2 D2#8.2 D2#9.2 D3.4 D3#2.4 D3#3.4 D3#4.4 D3#5.4 D3#6.4 D3#7.4 D3#8.4 D3#9.4
Net-(D3-DOUT): D3.2 D3#2.2 D3#3.2 D3#4.2 D3#5.2 D3#6.2 D3#7.2 D3#8.2 D3#9.2 D4.4 D4#2.4 D4#3.4 D4#4.4 D4#5.4 D4#6.4 D4#7.4 D4#8.4 D4#9.4
Net-(D5-A): D5.2 D5#2.2 D5#3.2 D5#4.2 D5#5.2 D5#6.2 D5#7.2 D5#8.2 D5#9.2 SW1.2 SW1#2.2 SW1#3.2 SW1#4.2 SW1#5.2 SW1#6.2 SW1#7.2 SW1#8.2 SW1#9.2
Net-(D6-A): D6.2 D6#2.2 D6#3.2 D6#4.2 D6#5.2 D6#6.2 D6#7.2 D6#8.2 D6#9.2 SW2.2 SW2#2.2 SW2#3.2 SW2#4.2 SW2#5.2 SW2#6.2 SW2#7.2 SW2#8.2 SW2#9.2
Net-(D7-A): D7.2 D7#2.2 D7#3.2 D7#4.2 D7#5.2 D7#6.2 D7#7.2 D7#8.2 D7#9.2 SW3.2 SW3#2.2 SW3#3.2 SW3#4.2 SW3#5.2 SW3#6.2 SW3#7.2 SW3#8.2 SW3#9.2